# Allegro board A523-EVB-AXP717C-LPDDR4-4X-32X1-V1-0.brd (continued)
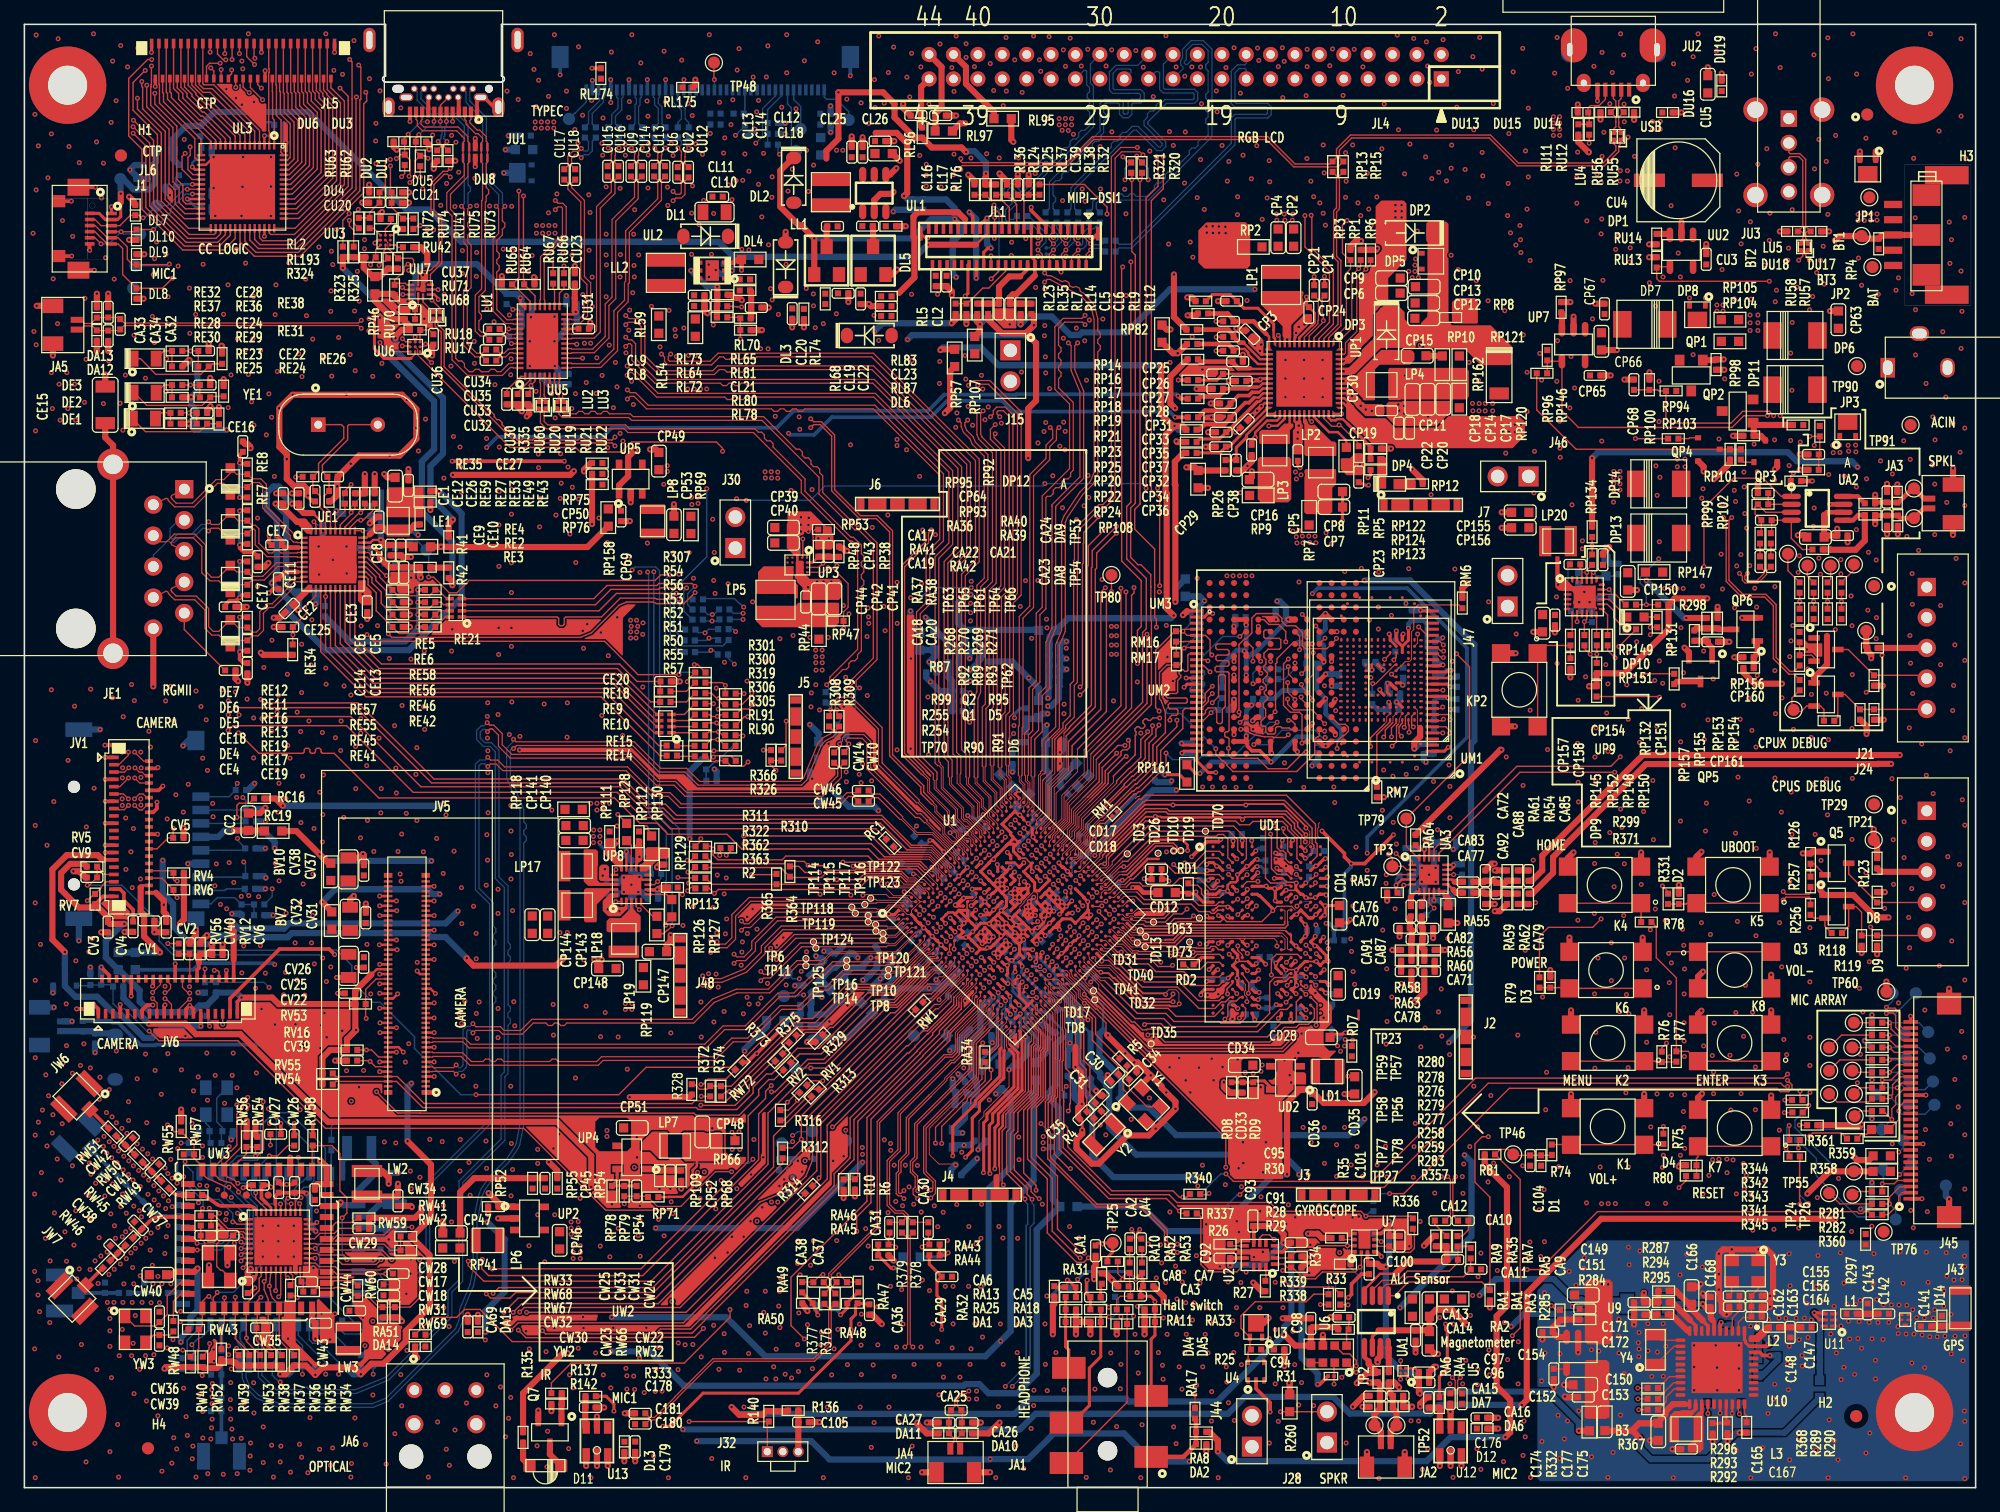
[diagram p0: board, top side]
## Routing (per net, layer and track width the routed paths; a pad name or vN(x,y) marks a point on that pad's centre or on a via; arc(x,y) is an arc through that point) (continued)
v1(79.91,21.41) v1(79.87,6.64) v1(80.03,13.42) v1(80.11,87.3) v1(80.24,20.47) v1(80.26,113.33) v1(80.26,10.11) v1(80.49,118.92) v1(80.52,114.53) v1(80.95,102.13) v1(80.92,101.04) v1(81.14,62.5) v1(81.2,117.09) v1(81.31,3.43) v1(81.44,20.44) v1(81.41,11.07) v1(81.51,109.04) v1(81.53,13.42) v1(81.66,72.26) v1(81.81,114.43) v1(81.76,91.49) v1(81.92,107.99) v1(81.94,1.57) v1(82.12,102.43) v1(82.09,74.38) v1(82.55,4.85) v1(82.75,119.05) v1(82.78,7.99) v1(82.75,6.73) v1(82.89,107.77) v1(83.11,102.51) v1(83.11,100.99) v1(83.11,85.67) v1(83.1,74.39) v1(83.24,117.09) v1(83.34,116.15) v1(83.46,23.24) v1(83.64,94.46) v1(83.61,86.61) v1(83.67,98.3) v1(83.67,95.3) v1(83.72,92.74) v1(83.74,91.41) v1(83.74,87.35) v1(83.68,13.42) v1(83.72,10.11) v1(83.85,70.51) v1(83.92,112.27) v1(83.87,7.95) v1(84.02,119) v1(84.07,90.13) v1(84.33,82.98) v1(84.38,102.51) v1(84.38,100.99) v1(84.58,11.07) v1(85.13,105.55) v1(85.13,80.36) v1(85.19,117.91) v1(85.19,94.26) v1(85.22,87.38) v1(85.24,63.47) v1(85.24,8.03) v1(85.34,86.62) v1(85.32,85.11) v1(85.26,64.24) v1(85.37,116.56) v1(85.39,100.99) v1(85.43,68.84) v1(85.7,21.41) v1(85.75,118.87) v1(86.02,110.99) v1(86.26,95.1) v1(86.41,102.51) v1(86.46,20.47) v1(86.66,116.59) v1(86.74,106.5) v1(86.94,94.06) v1(86.97,105.49) v1(87.1,96.7) v1(87.09,90.82) v1(87.07,0.84) v1(87.2,117.96) v1(87.21,83.01) v1(87.33,95.75) v1(87.27,81.2) v1(87.43,100.99) v1(87.55,109.3) v1(87.66,11.07) v1(87.66,5.36) v1(87.78,8.08) v1(88.2,109.97) v1(88.24,106.5) v1(88.21,29.74) v1(88.43,95.84) v1(88.37,74.47) v1(88.7,116.59) v1(88.67,28.93) v1(89.08,11.05) v1(89.05,1.45) v1(89.15,117.91) v1(89.17,111.18) v1(89.31,64.52) v1(89.33,21.19) v1(89.64,31.01) v1(89.56,5) v1(89.92,14.02) v1(89.92,10.11) v1(89.87,8.1) v1(90.22,106.48) v1(90.32,104.47) v1(90.35,97.76) v1(90.75,30.2) v1(90.96,14.07) v1(91.14,117.86) v1(91.07,12.57) v1(91.24,11.07) v1(91.26,66.08) v1(91.34,9.4) v1(91.54,61.88) v1(91.54,0.81) v1(91.64,5.16) v1(91.74,116.48) v1(92.15,19.99) v1(92.28,109.61) v1(92.25,31.95) v1(92.57,114.07) v1(92.81,17.2) v1(92.91,81.97) v1(92.99,11.07) v1(93.07,73.46) v1(93.14,19.91) v1(93.25,18.43) v1(93.32,10.03) v1(93.42,105.61) v1(93.4,13.92) v1(93.37,8.89) v1(93.6,119.08) v1(93.63,70.71) v1(93.65,52.14) v1(93.57,16.81) v1(93.73,68.12) v1(93.7,12.57) v1(93.83,101.98) v1(93.8,65.51) v1(93.78,19.23) v1(93.89,111.21) v1(93.94,92.28) v1(93.9,34.47) v1(93.93,22.61) v1(94.01,14.76) v1(94.21,110.07) v1(94.18,66.14) v1(94.23,4.98) v1(94.44,116.51) v1(94.44,3.61) v1(94.51,15.47) v1(94.59,13.79) v1(94.69,35.23) v1(94.69,9.91) v1(94.95,16.87) v1(94.92,8.08) v1(95.15,115.75) v1(95.12,106.98) v1(95.08,17.7) v1(95.15,11.07) v1(95.19,111.18) v1(95.22,33.4) v1(95.28,12.57) v1(95.61,32.41) v1(95.73,116.51) v1(95.81,100.9) v1(95.76,94.39) v1(95.78,13.74) v1(96.11,8.41) v1(96.16,105.79) v1(96.16,74.57) v1(96.22,24.74) v1(96.32,34.44) v1(96.44,116.51) v1(96.44,108.92) v1(96.38,44.59) v1(96.39,16.76) v1(96.52,113.49) v1(96.6,26.44) v1(96.62,9.91) v1(96.75,104.83) v1(96.82,12.57) v1(96.9,21.59) v1(96.9,18.58) v1(97.03,14.76) v1(97.05,11.05) v1(97.23,13.59) v1(97.33,5.46) v1(97.36,35.18) v1(97.36,7.87) v1(97.51,33.4) v1(97.74,114.55) v1(97.8,112.83) v1(97.89,0.81) v1(98.21,110.07) v1(98.25,34.49) v1(98.32,20.73) v1(98.53,116.46) v1(98.48,24.84) v1(98.64,107.15) v1(98.55,9.91) v1(98.6,8.66) v1(98.7,16.87) v1(98.73,6.96) v1(98.76,108.76) v1(98.76,29.54) v1(98.91,22.94) v1(99.09,13.69) v1(99.19,118.08) v1(99.16,11.07) v1(99.21,5.51) v1(99.42,21.84) v1(99.39,14.76) v1(99.42,12.57) v1(99.48,105.86) v1(99.47,104.39) v1(99.57,26.2) v1(99.59,20.95) v1(99.71,114.36) v1(99.75,16.81) v1(99.8,24.67) v1(99.8,10.08) v1(99.92,109.27) v1(99.92,28.32) v1(99.95,26.62) v1(100.18,17.68) v1(100.61,107.34) v1(100.81,29.54) v1(100.81,18.9) v1(101.12,118.06) v1(101.05,110.05) v1(101.22,117.04) v1(101.3,14.76) v1(101.4,23.85) v1(101.5,104.01) v1(101.55,19.33) v1(101.57,25.86) v1(101.8,28.32) v1(101.9,105.77) v1(101.98,95.28) v1(102.07,108.83) v1(102.11,107.1) v1(102.08,3.66) v1(102.23,22.18) v1(102.57,16.84) v1(102.57,12.95) v1(102.67,104.44) v1(102.69,103.94) v1(102.82,116.54) v1(102.82,5.44) v1(103.15,118.08) v1(103.12,37.03) v1(103.18,113.99) v1(103.17,17.81) v1(103.2,14.76) v1(103.3,116.97) v1(103.3,104.44) v1(103.33,59.44) v1(103.32,35.05) v1(103.36,103.94) v1(103.4,92.48) v1(103.4,90.96) v1(103.4,89.43) v1(103.45,21.63) v1(103.64,23.2) v1(103.73,57.99) v1(104.01,104.44) v1(103.96,103.94) v1(104.01,12.83) v1(104.19,105.69) v1(104.23,83.29) v1(104.19,35.2) v1(104.2,22.17) v1(104.17,10.08) v1(104.3,82.72) v1(104.44,0.84) v1(104.46,35.66) v1(104.5,6.78) v1(104.68,83.06) v1(104.72,37.24) v1(104.72,8.61) v1(104.93,92.48) v1(104.93,90.96) v1(104.93,89.43) v1(104.9,57.43) v1(104.85,29.54) v1(105.1,114.16) v1(105.18,117.96) v1(105.18,116.54) v1(105.16,109) v1(105.28,25.66) v1(105.49,107.14) v1(105.51,28.32) v1(105.71,105.87) v1(105.71,6.73) v1(106.22,105.36) v1(106.17,23.14) v1(106.5,110.11) v1(106.5,104.51) v1(106.45,92.48) v1(106.45,90.96) v1(106.45,89.43) v1(106.53,38.53) v1(106.58,107.82) v1(106.6,65.76) v1(106.58,29.51) v1(106.6,26.59) v1(106.68,103.53) v1(106.73,78.31) v1(106.91,44.2) v1(107.04,116.61) v1(106.96,32.21) v1(107.19,77.42) v1(107.26,117.98) v1(107.37,57.45) v1(107.44,56.18) v1(107.42,23.12) v1(107.36,22.14) v1(107.59,28.12) v1(107.59,25.53) v1(108.13,114.17) v1(108.33,109.47) v1(108.33,105.82) v1(108.25,29.54) v1(108.38,107.14) v1(108.38,3.66) v1(108.76,45.01) v1(108.82,43.97) v1(108.79,26.47) v1(108.92,110.11) v1(108.89,49.86) v1(108.93,47.7) v1(109.04,117.96) v1(108.95,42.32) v1(109.07,41.27) v1(109.19,52.53) v1(109.35,105.36) v1(109.27,27.97) v1(109.58,104.32) v1(109.63,75.39) v1(109.73,25.53) v1(109.75,116.51) v1(110.12,107.79) v1(110.11,50.62) v1(110.24,104.85) v1(110.29,71.15) v1(110.41,103.48) v1(110.9,105.84) v1(110.92,26.47) v1(111.05,75.08) v1(111.02,72.21) v1(111.02,70.41) v1(111.07,0.76) v1(111.31,109.8) v1(111.3,53.75) v1(111.35,55.55) v1(111.38,45.72) v1(111.51,113.46) v1(111.46,58.85) v1(111.61,27.99) v1(111.66,49.56) v1(111.71,42.55) v1(111.73,38.23) v1(111.66,36.37) v1(111.73,25.48) v1(112.09,71.53) v1(112.12,40.23) v1(112.22,58.34) v1(112.24,54.56) v1(112.39,57.28) v1(112.39,47.47) v1(112.5,52.78) v1(112.57,119.13) v1(112.56,87.83) v1(112.67,111.35) v1(112.66,88.83) v1(112.73,88.33) v1(112.9,41.35) v1(113.13,88.71) v1(113.13,88.08) v1(113.17,107.74) v1(113.28,72.52) v1(113.31,58.5) v1(113.51,99.75) v1(113.51,75.36) v1(113.61,110.18) v1(113.79,99.24) v1(113.92,118.85) v1(113.94,27.97) v1(113.89,25.45) v1(114.02,100.25) v1(114.02,99.75) v1(114.05,29.87) v1(114.07,100.76) v1(114.15,59) v1(114.22,103.05) v1(114.2,56.54) v1(114.3,99.24) v1(114.5,36.14) v1(114.63,1.5) v1(114.9,109.13) v1(114.86,37.69) v1(114.96,118.57) v1(115.06,116.59) v1(115.1,87.86) v1(115.1,87.37) v1(115.06,55.7) v1(115.09,3.2) v1(115.24,115.24) v1(115.18,50.27) v1(115.54,57.91) v1(115.65,24.16) v1(115.72,49.68) v1(115.8,111.33) v1(115.87,53.95) v1(115.98,107.87) v1(115.95,39.01) v1(116.05,13.94) v1(116.18,40.89) v1(116.23,37.03) v1(116.18,25.52) v1(116.33,118.75) v1(116.61,107.16) v1(116.71,45.03) v1(116.81,59.26) v1(116.89,57.51) v1(116.89,54.94) v1(116.87,35.51) v1(116.89,8.51) v1(117.03,110.1) v1(116.99,101.07) v1(117.09,16.13) v1(117.14,0.84) v1(117.17,13.41) v1(117.3,75.34) v1(117.45,113.21) v1(117.58,116.13) v1(117.9,25.51) v1(117.88,11.53) v1(117.93,8.51) v1(118.02,26.54) v1(117.96,24.13) v1(118.14,108.1) v1(118.19,10.44) v1(118.41,105.77) v1(118.47,92.28) v1(118.52,27.97) v1(118.57,14.12) v1(118.77,117.35) v1(118.85,111.35) v1(118.82,36.96) v1(118.85,32.92) v1(119.05,98.98) v1(119.1,3.2) v1(119.23,90.81) v1(119.2,17.3) v1(119.18,9.7) v1(119.15,8.43) v1(119.33,118.92) v1(119.43,19.23) v1(119.43,1.5) v1(119.53,116.33) v1(119.53,109.5) v1(119.58,107.57) v1(120.04,105.31) v1(120.02,97.33) v1(120.02,25.07) v1(120.07,72.64) v1(120.09,11.28) v1(120.14,9.25) v1(120.24,32.16) v1(120.45,113.51) v1(120.47,26.62) v1(120.78,17.81) v1(121.28,2.13) v1(121.39,96.52) v1(121.36,13.54) v1(121.46,84.84) v1(121.51,59.92) v1(121.62,104.32) v1(121.62,10.49) v1(121.72,111.05) v1(121.67,106.96) v1(121.77,25.5) v1(121.86,102.91) v1(122.07,116.1) v1(122.33,70) v1(122.45,37.11) v1(122.5,11.96) v1(122.48,8.51) v1(122.71,101.3) v1(122.86,118.03) v1(122.91,94.54) v1(122.89,57.58) v1(122.86,26.4) v1(122.89,2.64) v1(122.96,5.46) v1(123.09,109.63) v1(123.06,44.07) v1(123.06,4.17) v1(123.22,104.85) v1(123.22,88.24) v1(123.32,113.13) v1(123.32,107.49) v1(123.31,18.81) v1(123.45,20.14) v1(123.47,100.63) v1(123.47,63.75) v1(123.49,0.84) v1(123.72,51.46) v1(123.83,84.99) v1(123.77,81.58) v1(123.9,47.98) v1(124.21,22.78) v1(124.26,93.01) v1(124.33,18.95) v1(124.41,90.83) v1(124.49,40.23) v1(124.61,24.43) v1(124.64,20.17) v1(124.74,30.99) v1(124.82,34.06) v1(124.89,60.53) v1(125.32,55.12) v1(125.48,116) v1(125.68,118.92) v1(125.7,94.06) v1(125.65,90.73) v1(125.68,67.59) v1(125.78,99.01) v1(125.81,26.31) v1(125.88,87.45) v1(125.91,85.24) v1(126.54,114.76) v1(126.75,98.98) v1(126.72,88.54) v1(126.82,92.76) v1(126.9,80.59) v1(127.28,107.46) v1(127.29,105.34) v1(127.36,109.52) v1(127.41,64.57) v1(127.36,61.04) v1(127.41,57.84) v1(127.43,56.24) v1(127.38,46.53) v1(127.48,72.62) v1(128.02,66.5) v1(128.12,103.89) v1(128.7,116.56) v1(128.73,47.09) v1(128.78,59.92) v1(128.8,52.91) v1(128.75,51.18) v1(128.75,40.49) v1(128.78,34.39) v1(128.85,62.31) v1(128.85,57.94) v1(128.85,37.34) v1(128.96,107.72) v1(129.03,43.43) v1(129.21,26.29) v1(129.29,107.01) v1(129.34,104.04) v1(129.29,102.82) v1(129.34,85.83) v1(129.36,117.7) v1(129.36,109.18) v1(129.44,99.01) v1(129.51,111.15) v1(129.67,67.49) v1(129.74,63.53) v1(129.84,65.91) v1(129.84,60.38) v1(130,113.49) v1(130,53.72) v1(130.12,44.68) v1(130.12,41.58) v1(130.2,116.05) v1(130.3,80.82) v1(130.35,49.28) v1(130.48,101.55) v1(130.61,51.94) v1(130.71,102.62) v1(130.84,107.16) v1(130.81,39.04) v1(130.89,119.23) v1(130.86,108) v1(130.89,55.65) v1(130.99,54.15) v1(131.14,117.5) v1(131.14,46.91) v1(131.17,113.46) v1(131.19,112.01) v1(131.19,51.16) v1(131.22,43.43) v1(131.32,32.38) v1(131.44,108) v1(131.44,107.14) v1(131.39,65.84) v1(131.37,40.44) v1(131.5,110.74) v1(131.5,68.5) v1(131.52,63.02) v1(131.5,34.44) v1(131.52,26.29) v1(131.6,100.51) v1(131.67,101.68) v1(131.9,66.57) v1(132.03,109.18) v1(132.21,69.37) v1(132.44,61.11) v1(132.61,63.88) v1(132.58,49.46) v1(132.77,55.45) v1(133.02,42.47) v1(133.02,36.53) v1(133.1,23.29) v1(133.25,98.81) v1(133.32,69.95) v1(133.32,45.75) v1(133.36,29.57) v1(133.53,57.99) v1(133.58,53.14) v1(133.68,66.19) v1(133.73,47.45) v1(133.76,96.9) v1(133.78,83.79) v1(133.88,81.38) v1(133.86,62.43) v1(133.91,41.02) v1(133.87,32.29) v1(134.04,90.73) v1(134.04,87.43) v1(134.11,82.85) v1(134.06,67.79) v1(134.34,65.96) v1(134.32,26.26) v1(134.37,99.29) v1(134.39,27.25) v1(134.49,73.74) v1(134.55,46.51) v1(134.57,23.32) v1(134.88,41.41) v1(134.91,38.78) v1(134.9,35.33) v1(135.03,105.13) v1(135,73.74) v1(134.96,68.89) v1(135.05,43.04) v1(135.06,32.21) v1(135.23,116.76) v1(135.31,114.12) v1(135.36,109.88) v1(135.51,73.74) v1(135.61,101.24) v1(135.79,99.29) v1(135.83,70.53) v1(135.81,61.16) v1(135.8,54.66) v1(135.79,27.25) v1(135.86,58.19) v1(136.02,73.74) v1(136.04,66.83) v1(136.04,64.16) v1(135.97,45.8) v1(136.04,30.84) v1(136.07,44.48) v1(136.13,42.54) v1(136.09,40.49) v1(136.1,38.12) v1(136.09,36.63) v1(136.12,35.36) v1(136.14,32.22) v1(136.07,29.54) v1(136.23,72.18) v1(136.37,115.42) v1(136.54,97.56) v1(136.83,117.35) v1(136.83,92.91) v1(137.24,119.23) v1(137.54,81.15) v1(137.52,46.33) v1(137.64,81.92) v1(137.6,73.93) v1(137.64,24.09) v1(137.69,68.61) v1(137.74,61.34) v1(137.69,36.22) v1(137.84,97.56) v1(137.85,53.85) v1(137.92,56.13) v1(138.05,62.97) v1(138.13,25.6) v1(138.25,45.36) v1(138.4,35.43) v1(138.43,26.9) v1(138.48,66.32) v1(138.51,34.09) v1(138.51,32.31) v1(138.56,48.64) v1(138.56,38.1) v1(138.73,117.81) v1(138.96,86) v1(139.13,76.56) v1(139.24,80.64) v1(139.24,73.69) v1(139.42,90.93) v1(139.61,25.83) v1(139.85,35.46) v1(139.93,30.96) v1(140.11,66.09) v1(140.11,26.87) v1(140.21,97.49) v1(140.21,81.79) v1(140.23,72.16) v1(140.31,80.87) v1(140.26,61.21) v1(140.31,53.67) v1(140.34,38.96) v1(140.41,107.72) v1(140.41,75.59) v1(140.37,24.09) v1(140.51,58.27) v1(140.46,46.43) v1(140.56,104.7) v1(140.75,76.52) v1(140.69,63.02) v1(140.77,102.01) v1(140.77,32.31) v1(140.94,26.57) v1(141,83.29) v1(141.02,82.07) v1(140.97,37.01) v1(141.07,79.88) v1(141.12,41.2) v1(141.22,78.69) v1(141.19,25.61) v1(141.38,64.74) v1(141.43,56.31) v1(141.53,103.81) v1(141.47,75.61) v1(141.6,115.93) v1(141.58,97.46) v1(141.6,24) v1(141.66,62.1) v1(141.71,38.99) v1(141.83,85.57) v1(141.88,73.76) v1(141.94,34.49) v1(141.94,30.99) v1(141.99,118.01) v1(142.04,72.21) v1(141.99,60.73) v1(142.01,52.43) v1(141.99,45.26) v1(142.14,108.53) v1(142.09,83.31) v1(142.09,66.6) v1(142.67,100.25) v1(142.67,25.21) v1(142.88,109.8) v1(143.13,104.52) v1(143.08,102.29) v1(143.51,85.93) v1(143.51,82.65) v1(143.54,73.89) v1(143.54,67.01) v1(143.54,58.19) v1(143.46,21.18) v1(143.59,119.23) v1(143.56,97.26) v1(143.59,63.47) v1(143.92,46.33) v1(143.9,29.31) v1(143.97,116.46) v1(143.97,87.91) v1(144.12,64.77) v1(144.07,61.16) v1(144.07,55.4) v1(144.09,42.7) v1(144.27,36.75) v1(144.5,35.51) v1(144.6,100.66) v1(144.65,101.65) v1(144.7,83.82) v1(144.83,93.04) v1(144.83,85.88) v1(144.75,68.15) v1(144.75,49.71) v1(144.93,89.99) v1(144.86,69.44) v1(144.88,57.05) v1(144.93,53.57) v1(144.96,104.8) v1(144.96,95.55) v1(145.06,62.18) v1(145.34,98.45) v1(145.44,75.06) v1(145.54,76.43) v1(145.49,21.29) v1(145.62,85.75) v1(146.15,68.73) v1(146.25,67.13) v1(146.38,96.6) v1(146.41,45.92) v1(146.41,41.48) v1(146.41,36.93) v1(146.41,34.62) v1(146.53,65.05) v1(146.51,61.52) v1(146.63,97.69) v1(146.74,117.5) v1(146.69,78.84) v1(146.74,57.63) v1(146.79,108.15) v1(146.76,85.47) v1(146.76,80.34) v1(146.84,53.57) v1(146.96,99.64) v1(147.02,23.79) v1(147.14,110.57) v1(147.14,76.23) v1(147.26,100.66) v1(147.27,74.9) v1(147.32,51.44) v1(147.4,21.21) v1(147.5,101.8) v1(147.57,98.7) v1(147.75,108.76) v1(147.75,65.15) v1(147.78,58.12) v1(147.88,118.9) v1(147.93,115.54) v1(147.88,104.42) v1(147.93,61.34) v1(147.85,55.17) v1(147.96,83.08) v1(148.28,85.49) v1(148.32,84.88) v1(148.51,110.9) v1(148.49,70.36) v1(148.76,25.36) v1(148.85,85.5) v1(148.87,84.9) v1(148.95,76.1) v1(148.95,74.93) v1(149.22,82.96) v1(149.54,85.48) v1(149.58,85) v1(149.78,73.13) v1(149.82,21.01) v1(149.94,119.23) v1(149.86,70.69) v1(149.89,66.67) v1(149.86,62.26) v1(149.89,58.17) v1(149.86,53.16) v1(150.24,115.93) v1(150.15,85.5) v1(150.17,84.95) v1(150.22,82.07) v1(150.22,78.56) v1(150.3,33.2) v1(150.39,100.84) v1(150.47,40.94) v1(150.65,98.6) v1(150.55,35.53) v1(150.75,39.01) v1(151,110.67) v1(151.03,65.23) v1(151,50.42) v1(151,49.48) v1(151.05,82.73) v1(151.21,76.71) v1(151.16,71.96) v1(151.28,43.13) v1(151.38,45.97) v1(151.49,21.44) v1(151.84,76.07) v1(151.84,69.62) v1(151.87,71.35) v1(152.02,97.87) v1(152.2,84.2) v1(152.32,68.25) v1(152.53,47.5) v1(152.55,85.98) v1(153.14,58.14) v1(153.17,83.13) v1(153.24,53.14) v1(153.16,28.19) v1(153.26,49.48) v1(153.37,111.12) v1(153.47,98.2) v1(153.67,99.21) v1(153.67,39.75) v1(153.82,56.59) v1(154.1,85.85) v1(154.13,54.61) v1(154.13,51.66) v1(154.31,42.6) v1(154.36,78) v1(154.51,46.76) v1(154.64,84.33) v1(154.61,69.88) v1(154.56,62.31) v1(154.58,44.27) v1(154.66,67.61) v1(154.69,22.73) v1(154.79,97.92) v1(154.79,74.96) v1(154.81,72.44) v1(154.84,65.13) v1(154.76,49.12) v1(154.91,109.02) v1(154.89,21.31) v1(155.04,104.14) v1(155.07,96.6) v1(155.07,92.89) v1(155.32,76.86) v1(155.57,60.99) v1(155.83,39.17) v1(155.93,90.55) v1(155.88,29.36) v1(155.96,58.42) v1(156.03,22.63) v1(156.21,26.92) v1(156.29,119.23) v1(156.49,87.81) v1(156.46,83.87) v1(156.51,56.92) v1(156.64,82.3) v1(156.64,78.16) v1(156.67,85.93) v1(157,111.25) v1(157.02,42.8) v1(157.12,72.34) v1(157.12,67.49) v1(157.3,94.79) v1(157.3,49.3) v1(157.56,89.43) v1(157.63,80.8) v1(157.71,51.74) v1(157.68,35.97) v1(157.84,103.78) v1(157.89,100.41) v1(157.91,60.43) v1(158.01,102.34) v1(158.04,44.83) v1(157.96,29.84) v1(158.01,27.18) v1(158.14,87.27) v1(158.12,63.73) v1(158.19,65.79) v1(158.29,69.11) v1(158.29,33.48) v1(158.39,76.2) v1(158.57,31.22) v1(158.72,84.91) v1(158.67,51.1) v1(158.8,118.82) v1(158.8,112.47) v1(158.8,99.77) v1(158.8,93.42) v1(158.88,96.47) v1(158.9,56.41) v1(158.85,37.41) v1(159.11,104.17) v1(159.11,86.89) v1(159.11,80.54) v1(159.11,74.19) v1(159.11,67.84) v1(159.11,61.49) v1(159.11,54.33) v1(159.11,47.98) v1(159.11,41.63) v1(159.11,35.28) v1(159.11,28.93) v1(159.11,24.49) v1(159.18,108.99)
